# Altium PCB PCB22.PcbDoc (part 15 of 16)
Units mm, origin at the board's own origin, x right, y up, seen from the top; angles counter-clockwise.
Board outline 233.7 x 110.51 mm, 4 copper layers (Top Layer, Layer 1, Layer 2, Bottom Layer), stack 0.603 mm thick; 1249 components, 1355 nets, 4549 pads, 1315 vias.
Unrouted connection lines stored in the file: 1569.
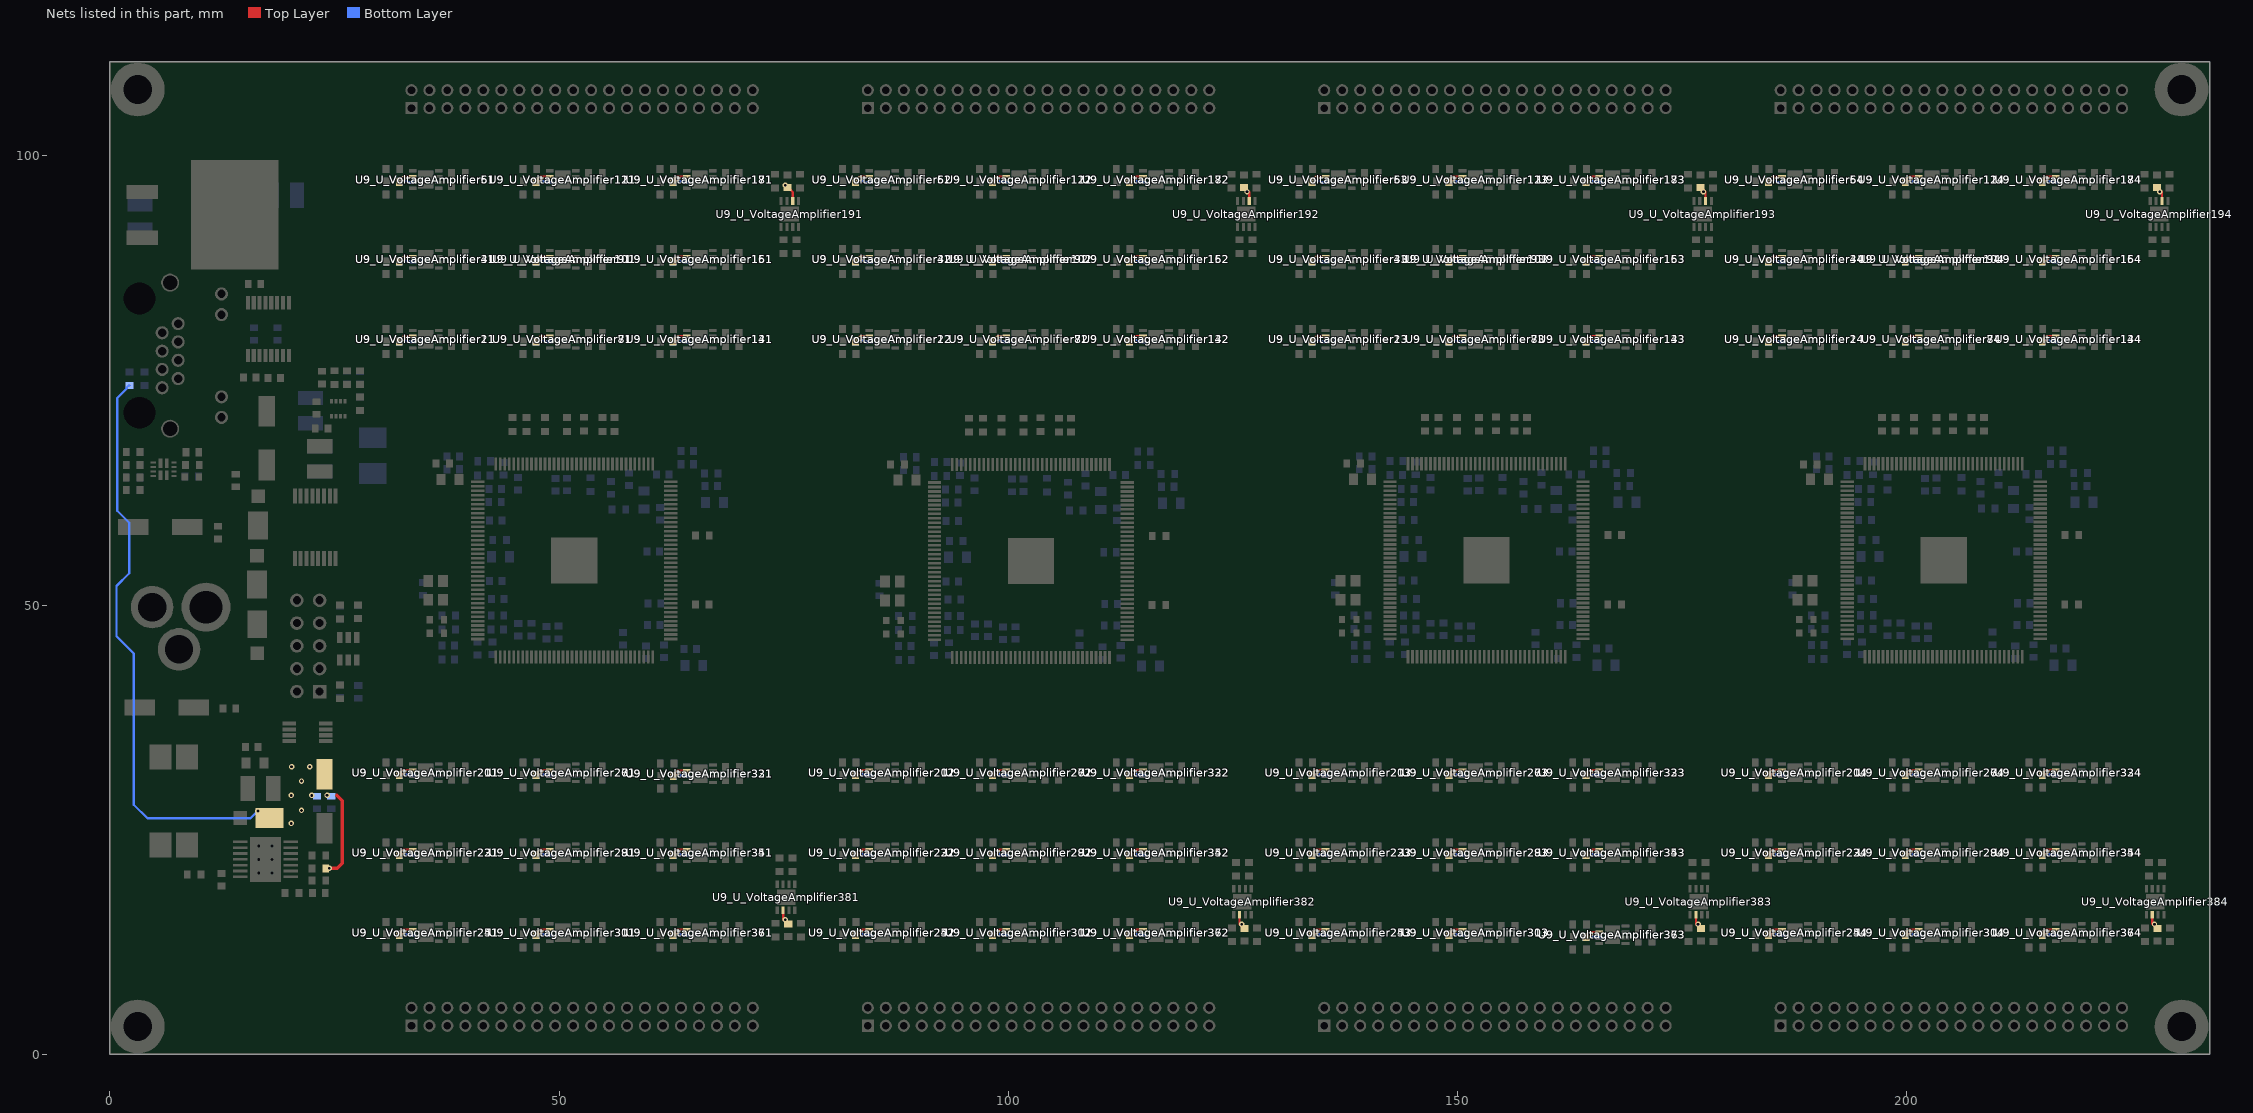
[diagram p17: the nets of this part, all layers, seen from the top]

## Via types
v1: diameter 0.61, hole 0.305, Top Layer to Bottom Layer, 1315 vias

## Nets (pads, with @x,y where several pads share a name; then routed paths per layer and width w, separated by ;. In a path a pad name is that pad's centre, name@x,y a point inside that pad or via, vN(x,y) a via of type N, cw(c..) or ccw(c..) an arc to the next point about the centre after c; other vN are vias at no path point) (continued)
VCC_OUT: C31.2 C32.2 C33.1 C34_U_VoltageAmplifier11.1 C34_U_VoltageAmplifier12.1 C34_U_VoltageAmplifier13.1 C34_U_VoltageAmplifier14.1 C34_U_VoltageAmplifier21.1 C34_U_VoltageAmplifier22.1 C34_U_VoltageAmplifier23.1 C34_U_VoltageAmplifier24.1 C34_U_VoltageAmplifier31.1 C34_U_VoltageAmplifier32.1 C34_U_VoltageAmplifier33.1 C34_U_VoltageAmplifier34.1 C34_U_VoltageAmplifier41.1 C34_U_VoltageAmplifier42.1 C34_U_VoltageAmplifier43.1 C34_U_VoltageAmplifier44.1 C34_U_VoltageAmplifier51.1 C34_U_VoltageAmplifier52.1 C34_U_VoltageAmplifier53.1 C34_U_VoltageAmplifier54.1 C34_U_VoltageAmplifier61.1 C34_U_VoltageAmplifier62.1 C34_U_VoltageAmplifier63.1 C34_U_VoltageAmplifier64.1 C34_U_VoltageAmplifier71.1 C34_U_VoltageAmplifier72.1 C34_U_VoltageAmplifier73.1 C34_U_VoltageAmplifier74.1 C34_U_VoltageAmplifier81.1 C34_U_VoltageAmplifier82.1 C34_U_VoltageAmplifier83.1 C34_U_VoltageAmplifier84.1 C34_U_VoltageAmplifier91.1 C34_U_VoltageAmplifier92.1 C34_U_VoltageAmplifier93.1 C34_U_VoltageAmplifier94.1 C34_U_VoltageAmplifier101.1 C34_U_VoltageAmplifier102.1 C34_U_VoltageAmplifier103.1 C34_U_VoltageAmplifier104.1 C34_U_VoltageAmplifier111.1 C34_U_VoltageAmplifier112.1 C34_U_VoltageAmplifier113.1 C34_U_VoltageAmplifier114.1 C34_U_VoltageAmplifier121.1 C34_U_VoltageAmplifier122.1 C34_U_VoltageAmplifier123.1 C34_U_VoltageAmplifier124.1 C34_U_VoltageAmplifier131.1 C34_U_VoltageAmplifier132.1 C34_U_VoltageAmplifier133.1 C34_U_VoltageAmplifier134.1 C34_U_VoltageAmplifier141.1 C34_U_VoltageAmplifier142.1 C34_U_VoltageAmplifier143.1 C34_U_VoltageAmplifier144.1 C34_U_VoltageAmplifier151.1 C34_U_VoltageAmplifier152.1 C34_U_VoltageAmplifier153.1 C34_U_VoltageAmplifier154.1 C34_U_VoltageAmplifier161.1 C34_U_VoltageAmplifier162.1 C34_U_VoltageAmplifier163.1 C34_U_VoltageAmplifier164.1 C34_U_VoltageAmplifier171.1 C34_U_VoltageAmplifier172.1 C34_U_VoltageAmplifier173.1 C34_U_VoltageAmplifier174.1 C34_U_VoltageAmplifier181.1 C34_U_VoltageAmplifier182.1 C34_U_VoltageAmplifier183.1 C34_U_VoltageAmplifier184.1 C34_U_VoltageAmplifier191.1 C34_U_VoltageAmplifier192.1 C34_U_VoltageAmplifier193.1 C34_U_VoltageAmplifier194.1 C34_U_VoltageAmplifier201.1 C34_U_VoltageAmplifier202.1 C34_U_VoltageAmplifier203.1 C34_U_VoltageAmplifier204.1 C34_U_VoltageAmplifier211.1 C34_U_VoltageAmplifier212.1 C34_U_VoltageAmplifier213.1 C34_U_VoltageAmplifier214.1 C34_U_VoltageAmplifier221.1 C34_U_VoltageAmplifier222.1 C34_U_VoltageAmplifier223.1 C34_U_VoltageAmplifier224.1 C34_U_VoltageAmplifier231.1 C34_U_VoltageAmplifier232.1 C34_U_VoltageAmplifier233.1 C34_U_VoltageAmplifier234.1 C34_U_VoltageAmplifier241.1 C34_U_VoltageAmplifier242.1 C34_U_VoltageAmplifier243.1 C34_U_VoltageAmplifier244.1 C34_U_VoltageAmplifier251.1 C34_U_VoltageAmplifier252.1 C34_U_VoltageAmplifier253.1 C34_U_VoltageAmplifier254.1 C34_U_VoltageAmplifier261.1 C34_U_VoltageAmplifier262.1 C34_U_VoltageAmplifier263.1 C34_U_VoltageAmplifier264.1 C34_U_VoltageAmplifier271.1 C34_U_VoltageAmplifier272.1 C34_U_VoltageAmplifier273.1 C34_U_VoltageAmplifier274.1 C34_U_VoltageAmplifier281.1 C34_U_VoltageAmplifier282.1 C34_U_VoltageAmplifier283.1 C34_U_VoltageAmplifier284.1 C34_U_VoltageAmplifier291.1 C34_U_VoltageAmplifier292.1 C34_U_VoltageAmplifier293.1 C34_U_VoltageAmplifier294.1 C34_U_VoltageAmplifier301.1 C34_U_VoltageAmplifier302.1 C34_U_VoltageAmplifier303.1 C34_U_VoltageAmplifier304.1 C34_U_VoltageAmplifier311.1 C34_U_VoltageAmplifier312.1 C34_U_VoltageAmplifier313.1 C34_U_VoltageAmplifier314.1 C34_U_VoltageAmplifier321.1 C34_U_VoltageAmplifier322.1 C34_U_VoltageAmplifier323.1 C34_U_VoltageAmplifier324.1 C34_U_VoltageAmplifier331.1 C34_U_VoltageAmplifier332.1 C34_U_VoltageAmplifier333.1 C34_U_VoltageAmplifier334.1 C34_U_VoltageAmplifier341.1 C34_U_VoltageAmplifier342.1 C34_U_VoltageAmplifier343.1 C34_U_VoltageAmplifier344.1 C34_U_VoltageAmplifier351.1 C34_U_VoltageAmplifier352.1 C34_U_VoltageAmplifier353.1 C34_U_VoltageAmplifier354.1 C34_U_VoltageAmplifier361.1 C34_U_VoltageAmplifier362.1 C34_U_VoltageAmplifier363.1 C34_U_VoltageAmplifier364.1 C34_U_VoltageAmplifier371.1 C34_U_VoltageAmplifier372.1 C34_U_VoltageAmplifier373.1 C34_U_VoltageAmplifier374.1 C34_U_VoltageAmplifier381.1 C34_U_VoltageAmplifier382.1 C34_U_VoltageAmplifier383.1 C34_U_VoltageAmplifier384.1 D7.1 R45.1 R46.1 U9_U_VoltageAmplifier11.6 U9_U_VoltageAmplifier12.6 U9_U_VoltageAmplifier13.6 U9_U_VoltageAmplifier14.6 U9_U_VoltageAmplifier21.6 U9_U_VoltageAmplifier22.6 U9_U_VoltageAmplifier23.6 U9_U_VoltageAmplifier24.6 U9_U_VoltageAmplifier31.6 U9_U_VoltageAmplifier32.6 U9_U_VoltageAmplifier33.6 U9_U_VoltageAmplifier34.6 U9_U_VoltageAmplifier41.6 U9_U_VoltageAmplifier42.6 U9_U_VoltageAmplifier43.6 U9_U_VoltageAmplifier44.6 U9_U_VoltageAmplifier51.6 U9_U_VoltageAmplifier52.6 U9_U_VoltageAmplifier53.6 U9_U_VoltageAmplifier54.6 U9_U_VoltageAmplifier61.6 U9_U_VoltageAmplifier62.6 U9_U_VoltageAmplifier63.6 U9_U_VoltageAmplifier64.6 U9_U_VoltageAmplifier71.6 U9_U_VoltageAmplifier72.6 U9_U_VoltageAmplifier73.6 U9_U_VoltageAmplifier74.6 U9_U_VoltageAmplifier81.6 U9_U_VoltageAmplifier82.6 U9_U_VoltageAmplifier83.6 U9_U_VoltageAmplifier84.6 U9_U_VoltageAmplifier91.6 U9_U_VoltageAmplifier92.6 U9_U_VoltageAmplifier93.6 U9_U_VoltageAmplifier94.6 U9_U_VoltageAmplifier101.6 U9_U_VoltageAmplifier102.6 U9_U_VoltageAmplifier103.6 U9_U_VoltageAmplifier104.6 U9_U_VoltageAmplifier111.6 U9_U_VoltageAmplifier112.6 U9_U_VoltageAmplifier113.6 U9_U_VoltageAmplifier114.6 U9_U_VoltageAmplifier121.6 U9_U_VoltageAmplifier122.6 U9_U_VoltageAmplifier123.6 U9_U_VoltageAmplifier124.6 U9_U_VoltageAmplifier131.6 U9_U_VoltageAmplifier132.6 U9_U_VoltageAmplifier133.6 U9_U_VoltageAmplifier134.6 U9_U_VoltageAmplifier141.6 U9_U_VoltageAmplifier142.6 U9_U_VoltageAmplifier143.6 U9_U_VoltageAmplifier144.6 U9_U_VoltageAmplifier151.6 U9_U_VoltageAmplifier152.6 U9_U_VoltageAmplifier153.6 U9_U_VoltageAmplifier154.6 U9_U_VoltageAmplifier161.6 U9_U_VoltageAmplifier162.6 U9_U_VoltageAmplifier163.6 U9_U_VoltageAmplifier164.6 U9_U_VoltageAmplifier171.6 U9_U_VoltageAmplifier172.6 U9_U_VoltageAmplifier173.6 U9_U_VoltageAmplifier174.6 U9_U_VoltageAmplifier181.6 U9_U_VoltageAmplifier182.6 U9_U_VoltageAmplifier183.6 U9_U_VoltageAmplifier184.6 U9_U_VoltageAmplifier191.6 U9_U_VoltageAmplifier192.6 U9_U_VoltageAmplifier193.6 U9_U_VoltageAmplifier194.6 U9_U_VoltageAmplifier201.6 U9_U_VoltageAmplifier202.6 U9_U_VoltageAmplifier203.6 U9_U_VoltageAmplifier204.6 U9_U_VoltageAmplifier211.6 U9_U_VoltageAmplifier212.6 U9_U_VoltageAmplifier213.6 U9_U_VoltageAmplifier214.6 U9_U_VoltageAmplifier221.6 U9_U_VoltageAmplifier222.6 U9_U_VoltageAmplifier223.6 U9_U_VoltageAmplifier224.6 U9_U_VoltageAmplifier231.6 U9_U_VoltageAmplifier232.6 U9_U_VoltageAmplifier233.6 U9_U_VoltageAmplifier234.6 U9_U_VoltageAmplifier241.6 U9_U_VoltageAmplifier242.6 U9_U_VoltageAmplifier243.6 U9_U_VoltageAmplifier244.6 U9_U_VoltageAmplifier251.6 U9_U_VoltageAmplifier252.6 U9_U_VoltageAmplifier253.6 U9_U_VoltageAmplifier254.6 U9_U_VoltageAmplifier261.6 U9_U_VoltageAmplifier262.6 U9_U_VoltageAmplifier263.6 U9_U_VoltageAmplifier264.6 U9_U_VoltageAmplifier271.6 U9_U_VoltageAmplifier272.6 U9_U_VoltageAmplifier273.6 U9_U_VoltageAmplifier274.6 U9_U_VoltageAmplifier281.6 U9_U_VoltageAmplifier282.6 U9_U_VoltageAmplifier283.6 U9_U_VoltageAmplifier284.6 U9_U_VoltageAmplifier291.6 U9_U_VoltageAmplifier292.6 U9_U_VoltageAmplifier293.6 U9_U_VoltageAmplifier294.6 U9_U_VoltageAmplifier301.6 U9_U_VoltageAmplifier302.6 U9_U_VoltageAmplifier303.6 U9_U_VoltageAmplifier304.6 U9_U_VoltageAmplifier311.6 U9_U_VoltageAmplifier312.6 U9_U_VoltageAmplifier313.6 U9_U_VoltageAmplifier314.6 U9_U_VoltageAmplifier321.6 U9_U_VoltageAmplifier322.6 U9_U_VoltageAmplifier323.6 U9_U_VoltageAmplifier324.6 U9_U_VoltageAmplifier331.6 U9_U_VoltageAmplifier332.6 U9_U_VoltageAmplifier333.6 U9_U_VoltageAmplifier334.6 U9_U_VoltageAmplifier341.6 U9_U_VoltageAmplifier342.6 U9_U_VoltageAmplifier343.6 U9_U_VoltageAmplifier344.6 U9_U_VoltageAmplifier351.6 U9_U_VoltageAmplifier352.6 U9_U_VoltageAmplifier353.6 U9_U_VoltageAmplifier354.6 U9_U_VoltageAmplifier361.6 U9_U_VoltageAmplifier362.6 U9_U_VoltageAmplifier363.6 U9_U_VoltageAmplifier364.6 U9_U_VoltageAmplifier371.6 U9_U_VoltageAmplifier372.6 U9_U_VoltageAmplifier373.6 U9_U_VoltageAmplifier374.6 U9_U_VoltageAmplifier381.6 U9_U_VoltageAmplifier382.6 U9_U_VoltageAmplifier383.6 U9_U_VoltageAmplifier384.6 | length 490.4
  Top Layer w0.254: C34_U_VoltageAmplifier11.1@32.198,79.354 32.198,79.423 32.703,79.928 U9_U_VoltageAmplifier11.6@33.708,79.928 ; U9_U_VoltageAmplifier241.6@33.708,13.888 v1@32.703,13.888 ; U9_U_VoltageAmplifier221.6@33.708,22.778 v1@32.703,22.778 ; U9_U_VoltageAmplifier201.6@33.708,31.668 v1@32.703,31.668 ; U9_U_VoltageAmplifier31.6@33.708,88.818 v1@32.703,88.818 ; U9_U_VoltageAmplifier51.6@33.708,97.708 v1@32.703,97.708 ; U9_U_VoltageAmplifier301.6@48.948,13.888 v1@47.943,13.888 ; U9_U_VoltageAmplifier281.6@48.948,22.778 v1@47.943,22.778 ; U9_U_VoltageAmplifier261.6@48.948,31.668 v1@47.943,31.668 ; U9_U_VoltageAmplifier71.6@48.948,79.928 v1@47.943,79.928 ; U9_U_VoltageAmplifier91.6@48.948,88.818 v1@47.943,88.818 ; U9_U_VoltageAmplifier111.6@48.948,97.708 v1@47.943,97.708 ; U9_U_VoltageAmplifier361.6@64.188,13.888 v1@63.183,13.888 ; U9_U_VoltageAmplifier341.6@64.188,22.778 v1@63.183,22.778 ; U9_U_VoltageAmplifier131.6@64.188,79.928 v1@63.183,79.928 ; U9_U_VoltageAmplifier151.6@64.188,88.818 v1@63.183,88.818 ; U9_U_VoltageAmplifier171.6@64.188,97.708 v1@63.183,97.708 ; U9_U_VoltageAmplifier321.6@64.218,31.577 v1@63.213,31.577 ; U9_U_VoltageAmplifier381.6@74.932,16.038 v1@74.932,15.033 ; U9_U_VoltageAmplifier191.6@76.008,94.99 76.008,95.995 ; U9_U_VoltageAmplifier242.6@84.508,13.888 v1@83.503,13.888 ; U9_U_VoltageAmplifier222.6@84.508,22.778 v1@83.503,22.778 ; U9_U_VoltageAmplifier202.6@84.508,31.668 v1@83.503,31.668 ; U9_U_VoltageAmplifier12.6@84.508,79.928 v1@83.503,79.928 ; U9_U_VoltageAmplifier32.6@84.508,88.818 v1@83.503,88.818 ; U9_U_VoltageAmplifier52.6@84.508,97.708 v1@83.503,97.708 ; U9_U_VoltageAmplifier302.6@99.748,13.888 v1@98.743,13.888 ; U9_U_VoltageAmplifier282.6@99.748,22.778 v1@98.743,22.778 ; U9_U_VoltageAmplifier262.6@99.748,31.668 v1@98.743,31.668 ; U9_U_VoltageAmplifier72.6@99.748,79.928 v1@98.743,79.928 ; U9_U_VoltageAmplifier92.6@99.748,88.818 v1@98.743,88.818 ; U9_U_VoltageAmplifier112.6@99.748,97.708 v1@98.743,97.708 ; U9_U_VoltageAmplifier362.6@114.988,13.888 v1@113.983,13.888 ; U9_U_VoltageAmplifier342.6@114.988,22.778 v1@113.983,22.778 ; U9_U_VoltageAmplifier322.6@114.988,31.668 v1@113.983,31.668 ; U9_U_VoltageAmplifier132.6@114.988,79.928 v1@113.983,79.928 ; U9_U_VoltageAmplifier152.6@114.988,88.818 v1@113.983,88.818 ; U9_U_VoltageAmplifier172.6@114.988,97.708 v1@113.983,97.708 ; U9_U_VoltageAmplifier382.6@125.732,15.53 v1@125.732,14.525 ; U9_U_VoltageAmplifier192.6@126.808,94.99 v1@126.808,95.995 ; U9_U_VoltageAmplifier243.6@135.308,13.888 v1@134.303,13.888 ; U9_U_VoltageAmplifier223.6@135.308,22.778 v1@134.303,22.778 ; U9_U_VoltageAmplifier203.6@135.308,31.668 v1@134.303,31.668 ; U9_U_VoltageAmplifier13.6@135.308,79.928 v1@134.303,79.928 ; U9_U_VoltageAmplifier33.6@135.308,88.818 v1@134.303,88.818 ; U9_U_VoltageAmplifier53.6@135.308,97.708 v1@134.303,97.708 ; U9_U_VoltageAmplifier303.6@150.548,13.888 v1@149.543,13.888 ; U9_U_VoltageAmplifier283.6@150.548,22.778 v1@149.543,22.778 ; U9_U_VoltageAmplifier263.6@150.548,31.668 v1@149.543,31.668 ; U9_U_VoltageAmplifier73.6@150.548,79.928 v1@149.543,79.928 ; U9_U_VoltageAmplifier93.6@150.548,88.818 v1@149.543,88.818 ; U9_U_VoltageAmplifier113.6@150.548,97.708 v1@149.543,97.708 ; U9_U_VoltageAmplifier363.6@165.788,13.634 v1@164.783,13.634 ; U9_U_VoltageAmplifier343.6@165.788,22.778 v1@164.783,22.778 ; U9_U_VoltageAmplifier323.6@165.788,31.668 v1@164.783,31.668 ; U9_U_VoltageAmplifier133.6@165.788,79.928 v1@164.783,79.928 ; U9_U_VoltageAmplifier153.6@165.788,88.818 v1@164.783,88.818 ; U9_U_VoltageAmplifier173.6@165.788,97.708 v1@164.783,97.708 ; U9_U_VoltageAmplifier383.6@176.532,15.53 v1@176.532,14.525 ; U9_U_VoltageAmplifier193.6@177.608,94.99 v1@177.608,95.995 ; U9_U_VoltageAmplifier244.6@186.108,13.888 v1@185.103,13.888 ; U9_U_VoltageAmplifier224.6@186.108,22.778 v1@185.103,22.778 ; U9_U_VoltageAmplifier204.6@186.108,31.668 v1@185.103,31.668 ; U9_U_VoltageAmplifier14.6@186.108,79.928 v1@185.103,79.928 ; U9_U_VoltageAmplifier34.6@186.108,88.818 v1@185.103,88.818 ; U9_U_VoltageAmplifier54.6@186.108,97.708 v1@185.103,97.708 ; U9_U_VoltageAmplifier304.6@201.348,13.888 v1@200.343,13.888 ; U9_U_VoltageAmplifier284.6@201.348,22.778 v1@200.343,22.778 ; U9_U_VoltageAmplifier264.6@201.348,31.668 v1@200.343,31.668 ; U9_U_VoltageAmplifier74.6@201.348,79.928 v1@200.343,79.928 ; U9_U_VoltageAmplifier94.6@201.348,88.818 v1@200.343,88.818 ; U9_U_VoltageAmplifier114.6@201.348,97.708 v1@200.343,97.708 ; U9_U_VoltageAmplifier364.6@216.588,13.888 v1@215.583,13.888 ; U9_U_VoltageAmplifier344.6@216.588,22.778 v1@215.583,22.778 ; U9_U_VoltageAmplifier324.6@216.588,31.668 v1@215.583,31.668 ; U9_U_VoltageAmplifier134.6@216.588,79.928 v1@215.583,79.928 ; U9_U_VoltageAmplifier154.6@216.588,88.818 v1@215.583,88.818 ; U9_U_VoltageAmplifier174.6@216.588,97.708 v1@215.583,97.708 ; U9_U_VoltageAmplifier384.6@227.332,15.53 v1@227.332,14.525 ; U9_U_VoltageAmplifier194.6@228.408,94.99 v1@228.408,95.995 ; C34_U_VoltageAmplifier241.1@32.198,13.314 C34_U_VoltageAmplifier241.1@32.198,13.383 ; C34_U_VoltageAmplifier241.1@32.198,13.314 C34_U_VoltageAmplifier241.1@32.198,13.383 ; C34_U_VoltageAmplifier241.1@32.198,13.314 C34_U_VoltageAmplifier241.1@32.198,13.383 ; C34_U_VoltageAmplifier241.1@32.198,13.383 v1@32.703,13.888 ; C34_U_VoltageAmplifier241.1@32.198,13.383 v1@32.703,13.888 ; C34_U_VoltageAmplifier241.1@32.198,13.383 v1@32.703,13.888 ; C34_U_VoltageAmplifier221.1@32.198,22.204 C34_U_VoltageAmplifier221.1@32.198,22.273 ; C34_U_VoltageAmplifier221.1@32.198,22.204 C34_U_VoltageAmplifier221.1@32.198,22.273 ; C34_U_VoltageAmplifier221.1@32.198,22.204 C34_U_VoltageAmplifier221.1@32.198,22.273 ; C34_U_VoltageAmplifier221.1@32.198,22.273 v1@32.703,22.778 ; C34_U_VoltageAmplifier221.1@32.198,22.273 v1@32.703,22.778 ; C34_U_VoltageAmplifier221.1@32.198,22.273 v1@32.703,22.778 ; C34_U_VoltageAmplifier201.1@32.198,31.094 C34_U_VoltageAmplifier201.1@32.198,31.163 ; C34_U_VoltageAmplifier201.1@32.198,31.094 C34_U_VoltageAmplifier201.1@32.198,31.163 ; C34_U_VoltageAmplifier201.1@32.198,31.094 C34_U_VoltageAmplifier201.1@32.198,31.163 ; C34_U_VoltageAmplifier201.1@32.198,31.163 v1@32.703,31.668 ; C34_U_VoltageAmplifier201.1@32.198,31.163 v1@32.703,31.668 ; C34_U_VoltageAmplifier201.1@32.198,31.163 v1@32.703,31.668 ; C34_U_VoltageAmplifier31.1@32.198,88.313 C34_U_VoltageAmplifier31.1@32.198,88.244 C34_U_VoltageAmplifier31.1@32.198,88.313 ; C34_U_VoltageAmplifier31.1@32.198,88.313 v1@32.703,88.818 ; C34_U_VoltageAmplifier31.1@32.198,88.313 v1@32.703,88.818 ; C34_U_VoltageAmplifier51.1@32.198,97.203 C34_U_VoltageAmplifier51.1@32.198,97.134 C34_U_VoltageAmplifier51.1@32.198,97.203 ; C34_U_VoltageAmplifier51.1@32.198,97.203 v1@32.703,97.708 ; C34_U_VoltageAmplifier51.1@32.198,97.203 v1@32.703,97.708 ; C34_U_VoltageAmplifier301.1@47.438,13.314 C34_U_VoltageAmplifier301.1@47.438,13.383 ; C34_U_VoltageAmplifier301.1@47.438,13.314 C34_U_VoltageAmplifier301.1@47.438,13.383 ; C34_U_VoltageAmplifier301.1@47.438,13.314 C34_U_VoltageAmplifier301.1@47.438,13.383 ; C34_U_VoltageAmplifier301.1@47.438,13.383 v1@47.943,13.888 ; C34_U_VoltageAmplifier301.1@47.438,13.383 v1@47.943,13.888 ; C34_U_VoltageAmplifier301.1@47.438,13.383 v1@47.943,13.888 ; C34_U_VoltageAmplifier281.1@47.438,22.204 C34_U_VoltageAmplifier281.1@47.438,22.273 ; C34_U_VoltageAmplifier281.1@47.438,22.204 C34_U_VoltageAmplifier281.1@47.438,22.273 ; C34_U_VoltageAmplifier281.1@47.438,22.204 C34_U_VoltageAmplifier281.1@47.438,22.273 ; C34_U_VoltageAmplifier281.1@47.438,22.273 v1@47.943,22.778 ; C34_U_VoltageAmplifier281.1@47.438,22.273 v1@47.943,22.778 ; C34_U_VoltageAmplifier281.1@47.438,22.273 v1@47.943,22.778 ; C34_U_VoltageAmplifier261.1@47.438,31.094 C34_U_VoltageAmplifier261.1@47.438,31.163 ; C34_U_VoltageAmplifier261.1@47.438,31.094 C34_U_VoltageAmplifier261.1@47.438,31.163 ; C34_U_VoltageAmplifier261.1@47.438,31.094 C34_U_VoltageAmplifier261.1@47.438,31.163 ; C34_U_VoltageAmplifier261.1@47.438,31.163 v1@47.943,31.668 ; C34_U_VoltageAmplifier261.1@47.438,31.163 v1@47.943,31.668 ; C34_U_VoltageAmplifier261.1@47.438,31.163 v1@47.943,31.668 ; C34_U_VoltageAmplifier71.1@47.438,79.423 C34_U_VoltageAmplifier71.1@47.438,79.354 C34_U_VoltageAmplifier71.1@47.438,79.423 ; C34_U_VoltageAmplifier71.1@47.438,79.423 v1@47.943,79.928 ; C34_U_VoltageAmplifier71.1@47.438,79.423 v1@47.943,79.928 ; C34_U_VoltageAmplifier91.1@47.438,88.313 C34_U_VoltageAmplifier91.1@47.438,88.244 C34_U_VoltageAmplifier91.1@47.438,88.313 ; C34_U_VoltageAmplifier91.1@47.438,88.313 47.803,88.678 v1@47.943,88.818 ; C34_U_VoltageAmplifier91.1@47.438,88.313 v1@47.943,88.818 ; C34_U_VoltageAmplifier111.1@47.438,97.203 v1@47.943,97.708 ; C34_U_VoltageAmplifier111.1@47.438,97.203 v1@47.943,97.708 ; C34_U_VoltageAmplifier111.1@47.438,97.203 C34_U_VoltageAmplifier111.1@47.438,97.134 C34_U_VoltageAmplifier111.1@47.438,97.203 ; C34_U_VoltageAmplifier361.1@62.678,13.314 C34_U_VoltageAmplifier361.1@62.678,13.383 ; C34_U_VoltageAmplifier361.1@62.678,13.314 C34_U_VoltageAmplifier361.1@62.678,13.383 ; C34_U_VoltageAmplifier361.1@62.678,13.314 C34_U_VoltageAmplifier361.1@62.678,13.383 ; C34_U_VoltageAmplifier361.1@62.678,13.383 v1@63.183,13.888 ; C34_U_VoltageAmplifier361.1@62.678,13.383 v1@63.183,13.888 ; C34_U_VoltageAmplifier361.1@62.678,13.383 v1@63.183,13.888 ; C34_U_VoltageAmplifier341.1@62.678,22.204 C34_U_VoltageAmplifier341.1@62.678,22.273 ; C34_U_VoltageAmplifier341.1@62.678,22.204 C34_U_VoltageAmplifier341.1@62.678,22.273 ; C34_U_VoltageAmplifier341.1@62.678,22.204 C34_U_VoltageAmplifier341.1@62.678,22.273 ; C34_U_VoltageAmplifier341.1@62.678,22.273 v1@63.183,22.778 ; C34_U_VoltageAmplifier341.1@62.678,22.273 v1@63.183,22.778 ; C34_U_VoltageAmplifier341.1@62.678,22.273 v1@63.183,22.778 ; C34_U_VoltageAmplifier131.1@62.678,79.423 C34_U_VoltageAmplifier131.1@62.678,79.354 C34_U_VoltageAmplifier131.1@62.678,79.423 ; C34_U_VoltageAmplifier131.1@62.678,79.423 v1@63.183,79.928 ; C34_U_VoltageAmplifier131.1@62.678,79.423 v1@63.183,79.928 ; C34_U_VoltageAmplifier151.1@62.678,88.313 C34_U_VoltageAmplifier151.1@62.678,88.244 C34_U_VoltageAmplifier151.1@62.678,88.313 ; C34_U_VoltageAmplifier151.1@62.678,88.313 v1@63.183,88.818 ; C34_U_VoltageAmplifier151.1@62.678,88.313 v1@63.183,88.818 ; C34_U_VoltageAmplifier171.1@62.678,97.203 C34_U_VoltageAmplifier171.1@62.678,97.134 C34_U_VoltageAmplifier171.1@62.678,97.203 ; C34_U_VoltageAmplifier171.1@62.678,97.203 v1@63.183,97.708 ; C34_U_VoltageAmplifier171.1@62.678,97.203 v1@63.183,97.708 ; C34_U_VoltageAmplifier321.1@62.708,31.003 C34_U_VoltageAmplifier321.1@62.708,31.072 ; C34_U_VoltageAmplifier321.1@62.708,31.003 C34_U_VoltageAmplifier321.1@62.708,31.072 ; C34_U_VoltageAmplifier321.1@62.708,31.003 C34_U_VoltageAmplifier321.1@62.708,31.072 ; C34_U_VoltageAmplifier321.1@62.708,31.072 v1@63.213,31.577 ; C34_U_VoltageAmplifier321.1@62.708,31.072 v1@63.213,31.577 ; C34_U_VoltageAmplifier321.1@62.708,31.072 v1@63.213,31.577 ; v1@74.932,15.033 C34_U_VoltageAmplifier381.1@75.437,14.528 ; v1@74.932,15.033 C34_U_VoltageAmplifier381.1@75.437,14.528 ; C34_U_VoltageAmplifier381.1@75.437,14.528 C34_U_VoltageAmplifier381.1@75.506,14.528 C34_U_VoltageAmplifier381.1@75.437,14.528 ; C34_U_VoltageAmplifier191.1@75.503,96.5 C34_U_VoltageAmplifier191.1@75.434,96.5 C34_U_VoltageAmplifier191.1@75.503,96.5 ; C34_U_VoltageAmplifier191.1@75.503,96.5 76.008,95.995 ; C34_U_VoltageAmplifier191.1@75.503,96.5 76.008,95.995 ; C34_U_VoltageAmplifier242.1@82.998,13.314 C34_U_VoltageAmplifier242.1@82.998,13.383 ; C34_U_VoltageAmplifier242.1@82.998,13.314 C34_U_VoltageAmplifier242.1@82.998,13.383 ; C34_U_VoltageAmplifier242.1@82.998,13.314 C34_U_VoltageAmplifier242.1@82.998,13.383 ; C34_U_VoltageAmplifier242.1@82.998,13.383 v1@83.503,13.888 ; C34_U_VoltageAmplifier242.1@82.998,13.383 v1@83.503,13.888 ; C34_U_VoltageAmplifier242.1@82.998,13.383 v1@83.503,13.888 ; C34_U_VoltageAmplifier222.1@82.998,22.204 C34_U_VoltageAmplifier222.1@82.998,22.273 ; C34_U_VoltageAmplifier222.1@82.998,22.204 C34_U_VoltageAmplifier222.1@82.998,22.273 ; C34_U_VoltageAmplifier222.1@82.998,22.204 C34_U_VoltageAmplifier222.1@82.998,22.273 ; C34_U_VoltageAmplifier222.1@82.998,22.273 v1@83.503,22.778 ; C34_U_VoltageAmplifier222.1@82.998,22.273 v1@83.503,22.778 ; C34_U_VoltageAmplifier222.1@82.998,22.273 v1@83.503,22.778 ; C34_U_VoltageAmplifier202.1@82.998,31.094 C34_U_VoltageAmplifier202.1@82.998,31.163 ; C34_U_VoltageAmplifier202.1@82.998,31.094 C34_U_VoltageAmplifier202.1@82.998,31.163 ; C34_U_VoltageAmplifier202.1@82.998,31.094 C34_U_VoltageAmplifier202.1@82.998,31.163 ; C34_U_VoltageAmplifier202.1@82.998,31.163 v1@83.503,31.668 ; C34_U_VoltageAmplifier202.1@82.998,31.163 v1@83.503,31.668 ; C34_U_VoltageAmplifier202.1@82.998,31.163 v1@83.503,31.668 ; C34_U_VoltageAmplifier12.1@82.998,79.354 C34_U_VoltageAmplifier12.1@82.998,79.423 ; C34_U_VoltageAmplifier12.1@82.998,79.354 C34_U_VoltageAmplifier12.1@82.998,79.423 ; C34_U_VoltageAmplifier12.1@82.998,79.354 C34_U_VoltageAmplifier12.1@82.998,79.423 ; C34_U_VoltageAmplifier12.1@82.998,79.423 v1@83.503,79.928 ; C34_U_VoltageAmplifier12.1@82.998,79.423 v1@83.503,79.928 ; C34_U_VoltageAmplifier12.1@82.998,79.423 v1@83.503,79.928 ; C34_U_VoltageAmplifier32.1@82.998,88.244 C34_U_VoltageAmplifier32.1@82.998,88.313 ; C34_U_VoltageAmplifier32.1@82.998,88.244 C34_U_VoltageAmplifier32.1@82.998,88.313 ; C34_U_VoltageAmplifier32.1@82.998,88.244 C34_U_VoltageAmplifier32.1@82.998,88.313 ; C34_U_VoltageAmplifier32.1@82.998,88.313 v1@83.503,88.818 ; C34_U_VoltageAmplifier32.1@82.998,88.313 v1@83.503,88.818 ; C34_U_VoltageAmplifier32.1@82.998,88.313 v1@83.503,88.818 ; C34_U_VoltageAmplifier52.1@82.998,97.134 C34_U_VoltageAmplifier52.1@82.998,97.203 ; C34_U_VoltageAmplifier52.1@82.998,97.134 C34_U_VoltageAmplifier52.1@82.998,97.203 ; C34_U_VoltageAmplifier52.1@82.998,97.134 C34_U_VoltageAmplifier52.1@82.998,97.203 ; C34_U_VoltageAmplifier52.1@82.998,97.203 v1@83.503,97.708 ; C34_U_VoltageAmplifier52.1@82.998,97.203 v1@83.503,97.708 ; C34_U_VoltageAmplifier52.1@82.998,97.203 v1@83.503,97.708 ; C34_U_VoltageAmplifier302.1@98.238,13.314 C34_U_VoltageAmplifier302.1@98.238,13.383 ; C34_U_VoltageAmplifier302.1@98.238,13.314 C34_U_VoltageAmplifier302.1@98.238,13.383 ; C34_U_VoltageAmplifier302.1@98.238,13.314 C34_U_VoltageAmplifier302.1@98.238,13.383 ; C34_U_VoltageAmplifier302.1@98.238,13.383 v1@98.743,13.888 ; C34_U_VoltageAmplifier302.1@98.238,13.383 v1@98.743,13.888 ; C34_U_VoltageAmplifier302.1@98.238,13.383 v1@98.743,13.888 ; C34_U_VoltageAmplifier282.1@98.238,22.204 C34_U_VoltageAmplifier282.1@98.238,22.273 ; C34_U_VoltageAmplifier282.1@98.238,22.204 C34_U_VoltageAmplifier282.1@98.238,22.273 ; C34_U_VoltageAmplifier282.1@98.238,22.204 C34_U_VoltageAmplifier282.1@98.238,22.273 ; C34_U_VoltageAmplifier282.1@98.238,22.273 v1@98.743,22.778 ; C34_U_VoltageAmplifier282.1@98.238,22.273 v1@98.743,22.778 ; C34_U_VoltageAmplifier282.1@98.238,22.273 v1@98.743,22.778 ; C34_U_VoltageAmplifier262.1@98.238,31.094 C34_U_VoltageAmplifier262.1@98.238,31.163 ; C34_U_VoltageAmplifier262.1@98.238,31.094 C34_U_VoltageAmplifier262.1@98.238,31.163 ; C34_U_VoltageAmplifier262.1@98.238,31.094 C34_U_VoltageAmplifier262.1@98.238,31.163 ; C34_U_VoltageAmplifier262.1@98.238,31.163 v1@98.743,31.668 ; C34_U_VoltageAmplifier262.1@98.238,31.163 v1@98.743,31.668 ; C34_U_VoltageAmplifier262.1@98.238,31.163 v1@98.743,31.668 ; C34_U_VoltageAmplifier72.1@98.238,79.354 C34_U_VoltageAmplifier72.1@98.238,79.423 ; C34_U_VoltageAmplifier72.1@98.238,79.354 C34_U_VoltageAmplifier72.1@98.238,79.423 ; C34_U_VoltageAmplifier72.1@98.238,79.354 C34_U_VoltageAmplifier72.1@98.238,79.423 ; C34_U_VoltageAmplifier72.1@98.238,79.423 v1@98.743,79.928 ; C34_U_VoltageAmplifier72.1@98.238,79.423 v1@98.743,79.928 ; C34_U_VoltageAmplifier72.1@98.238,79.423 v1@98.743,79.928 ; C34_U_VoltageAmplifier92.1@98.238,88.244 C34_U_VoltageAmplifier92.1@98.238,88.313 ; C34_U_VoltageAmplifier92.1@98.238,88.244 C34_U_VoltageAmplifier92.1@98.238,88.313 ; C34_U_VoltageAmplifier92.1@98.238,88.244 C34_U_VoltageAmplifier92.1@98.238,88.313 ; C34_U_VoltageAmplifier92.1@98.238,88.313 v1@98.743,88.818 ; C34_U_VoltageAmplifier92.1@98.238,88.313 v1@98.743,88.818 ; C34_U_VoltageAmplifier92.1@98.238,88.313 v1@98.743,88.818 ; C34_U_VoltageAmplifier112.1@98.238,97.134 C34_U_VoltageAmplifier112.1@98.238,97.203 ; C34_U_VoltageAmplifier112.1@98.238,97.134 C34_U_VoltageAmplifier112.1@98.238,97.203 ; C34_U_VoltageAmplifier112.1@98.238,97.134 C34_U_VoltageAmplifier112.1@98.238,97.203 ; C34_U_VoltageAmplifier112.1@98.238,97.203 v1@98.743,97.708 ; C34_U_VoltageAmplifier112.1@98.238,97.203 v1@98.743,97.708 ; C34_U_VoltageAmplifier112.1@98.238,97.203 v1@98.743,97.708 ; C34_U_VoltageAmplifier362.1@113.478,13.314 C34_U_VoltageAmplifier362.1@113.478,13.383 ; C34_U_VoltageAmplifier362.1@113.478,13.314 C34_U_VoltageAmplifier362.1@113.478,13.383 ; C34_U_VoltageAmplifier362.1@113.478,13.314 C34_U_VoltageAmplifier362.1@113.478,13.383 ; C34_U_VoltageAmplifier362.1@113.478,13.383 v1@113.983,13.888 ; C34_U_VoltageAmplifier362.1@113.478,13.383 v1@113.983,13.888 ; C34_U_VoltageAmplifier362.1@113.478,13.383 v1@113.983,13.888 ; C34_U_VoltageAmplifier342.1@113.478,22.204 C34_U_VoltageAmplifier342.1@113.478,22.273 ; C34_U_VoltageAmplifier342.1@113.478,22.204 C34_U_VoltageAmplifier342.1@113.478,22.273 ; C34_U_VoltageAmplifier342.1@113.478,22.204 C34_U_VoltageAmplifier342.1@113.478,22.273 ; C34_U_VoltageAmplifier342.1@113.478,22.273 v1@113.983,22.778 ; C34_U_VoltageAmplifier342.1@113.478,22.273 v1@113.983,22.778 ; C34_U_VoltageAmplifier342.1@113.478,22.273 v1@113.983,22.778 ; C34_U_VoltageAmplifier322.1@113.478,31.094 C34_U_VoltageAmplifier322.1@113.478,31.163 ; C34_U_VoltageAmplifier322.1@113.478,31.094 C34_U_VoltageAmplifier322.1@113.478,31.163 ; C34_U_VoltageAmplifier322.1@113.478,31.094 C34_U_VoltageAmplifier322.1@113.478,31.163 ; C34_U_VoltageAmplifier322.1@113.478,31.163 v1@113.983,31.668 ; C34_U_VoltageAmplifier322.1@113.478,31.163 v1@113.983,31.668 ; C34_U_VoltageAmplifier322.1@113.478,31.163 v1@113.983,31.668 ; C34_U_VoltageAmplifier132.1@113.478,79.354 C34_U_VoltageAmplifier132.1@113.478,79.423 ; C34_U_VoltageAmplifier132.1@113.478,79.354 C34_U_VoltageAmplifier132.1@113.478,79.423 ; C34_U_VoltageAmplifier132.1@113.478,79.354 C34_U_VoltageAmplifier132.1@113.478,79.423 ; C34_U_VoltageAmplifier132.1@113.478,79.423 v1@113.983,79.928 ; C34_U_VoltageAmplifier132.1@113.478,79.423 v1@113.983,79.928 ; C34_U_VoltageAmplifier132.1@113.478,79.423 v1@113.983,79.928 ; C34_U_VoltageAmplifier152.1@113.478,88.244 C34_U_VoltageAmplifier152.1@113.478,88.313 ; C34_U_VoltageAmplifier152.1@113.478,88.244 C34_U_VoltageAmplifier152.1@113.478,88.313 ; C34_U_VoltageAmplifier152.1@113.478,88.244 C34_U_VoltageAmplifier152.1@113.478,88.313 ; C34_U_VoltageAmplifier152.1@113.478,88.313 v1@113.983,88.818 ; C34_U_VoltageAmplifier152.1@113.478,88.313 v1@113.983,88.818 ; C34_U_VoltageAmplifier152.1@113.478,88.313 v1@113.983,88.818 ; C34_U_VoltageAmplifier172.1@113.478,97.134 C34_U_VoltageAmplifier172.1@113.478,97.203 ; C34_U_VoltageAmplifier172.1@113.478,97.134 C34_U_VoltageAmplifier172.1@113.478,97.203 ; C34_U_VoltageAmplifier172.1@113.478,97.134 C34_U_VoltageAmplifier172.1@113.478,97.203 ; C34_U_VoltageAmplifier172.1@113.478,97.203 v1@113.983,97.708 ; C34_U_VoltageAmplifier172.1@113.478,97.203 v1@113.983,97.708 ; C34_U_VoltageAmplifier172.1@113.478,97.203 v1@113.983,97.708 ; v1@125.732,14.525 C34_U_VoltageAmplifier382.1@126.237,14.02 ; v1@125.732,14.525 C34_U_VoltageAmplifier382.1@126.237,14.02 ; C34_U_VoltageAmplifier382.1@126.237,14.02 C34_U_VoltageAmplifier382.1@126.306,14.02 C34_U_VoltageAmplifier382.1@126.237,14.02 ; C34_U_VoltageAmplifier192.1@126.303,96.5 C34_U_VoltageAmplifier192.1@126.234,96.5 C34_U_VoltageAmplifier192.1@126.303,96.5 ; C34_U_VoltageAmplifier192.1@126.303,96.5 v1@126.808,95.995 ; C34_U_VoltageAmplifier192.1@126.303,96.5 v1@126.808,95.995 ; C34_U_VoltageAmplifier243.1@133.798,13.314 C34_U_VoltageAmplifier243.1@133.798,13.383 ; C34_U_VoltageAmplifier243.1@133.798,13.314 C34_U_VoltageAmplifier243.1@133.798,13.383 